# Altium PCB ESP32 S3 Mini-1.PcbDoc
Units mm, origin at the board's own origin, x right, y up, seen from the top; angles counter-clockwise.
Board outline 70 x 30 mm, 4 copper layers (Top Layer, PWR, GND, Bottom Layer), stack 1.564 mm thick; 61 components, 75 nets, 305 pads, 170 vias.
Unrouted connection lines stored in the file: 221.
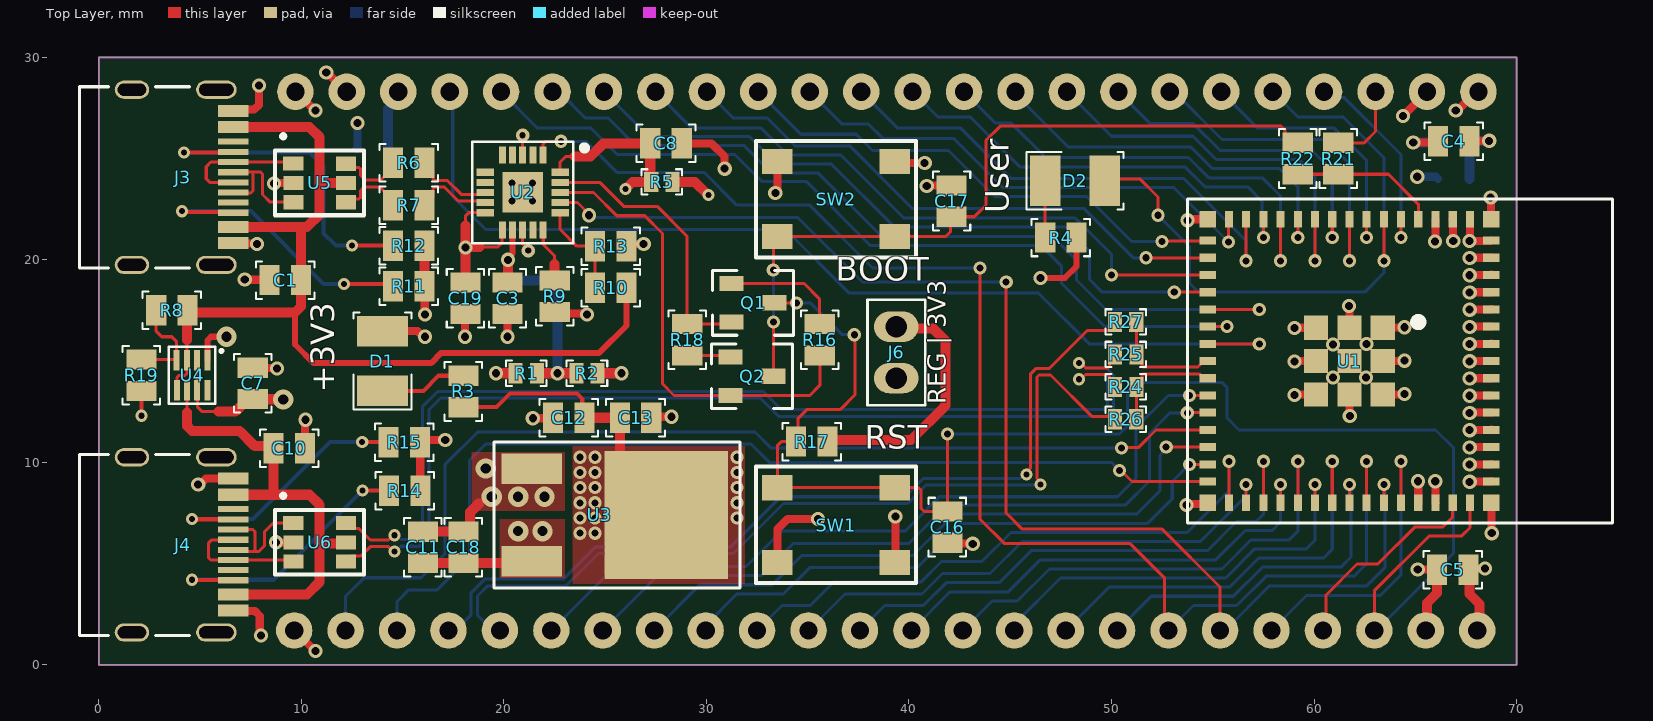
[diagram p0: Top Layer view]
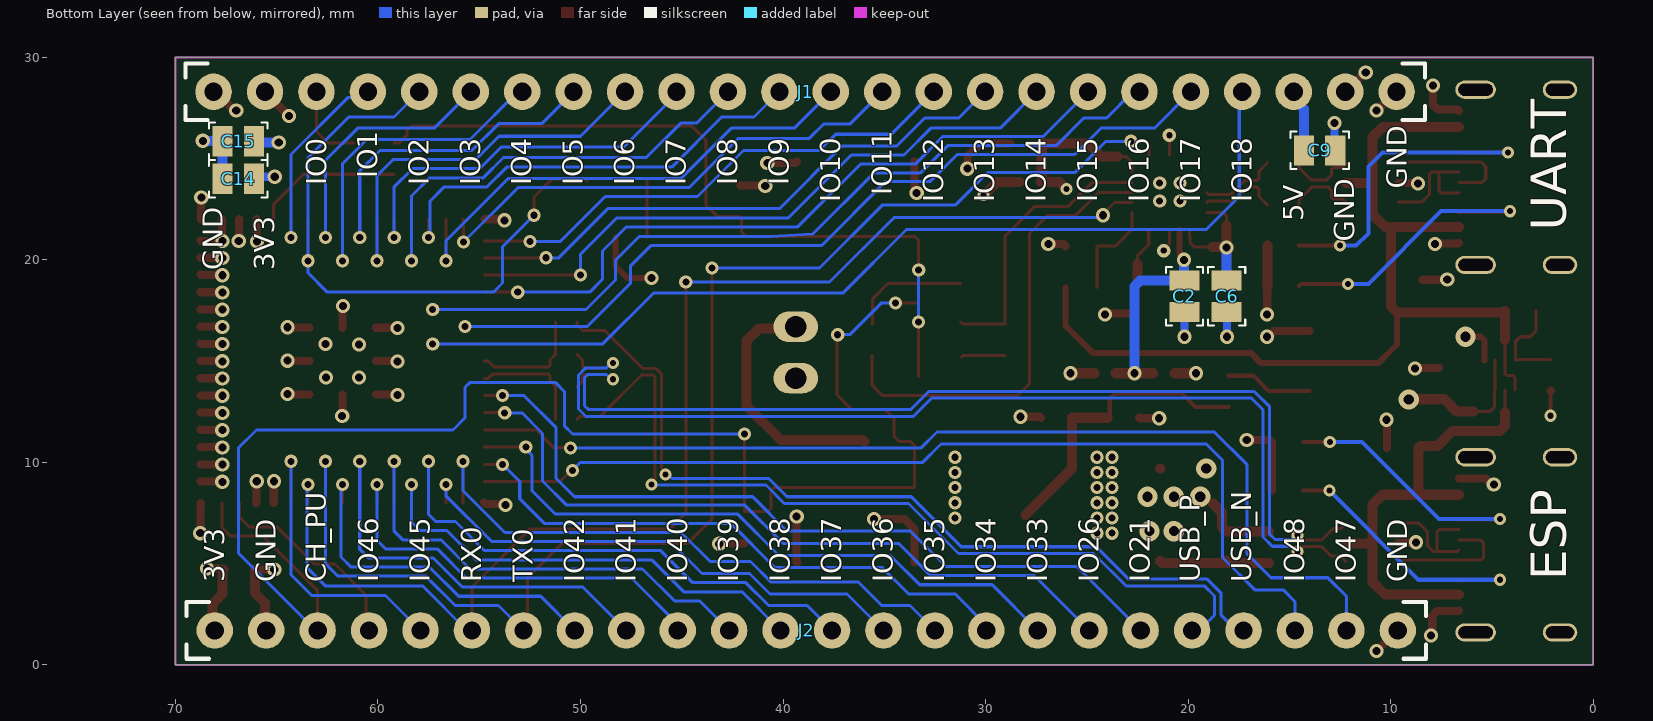
[diagram p1: Bottom Layer view, seen from below]
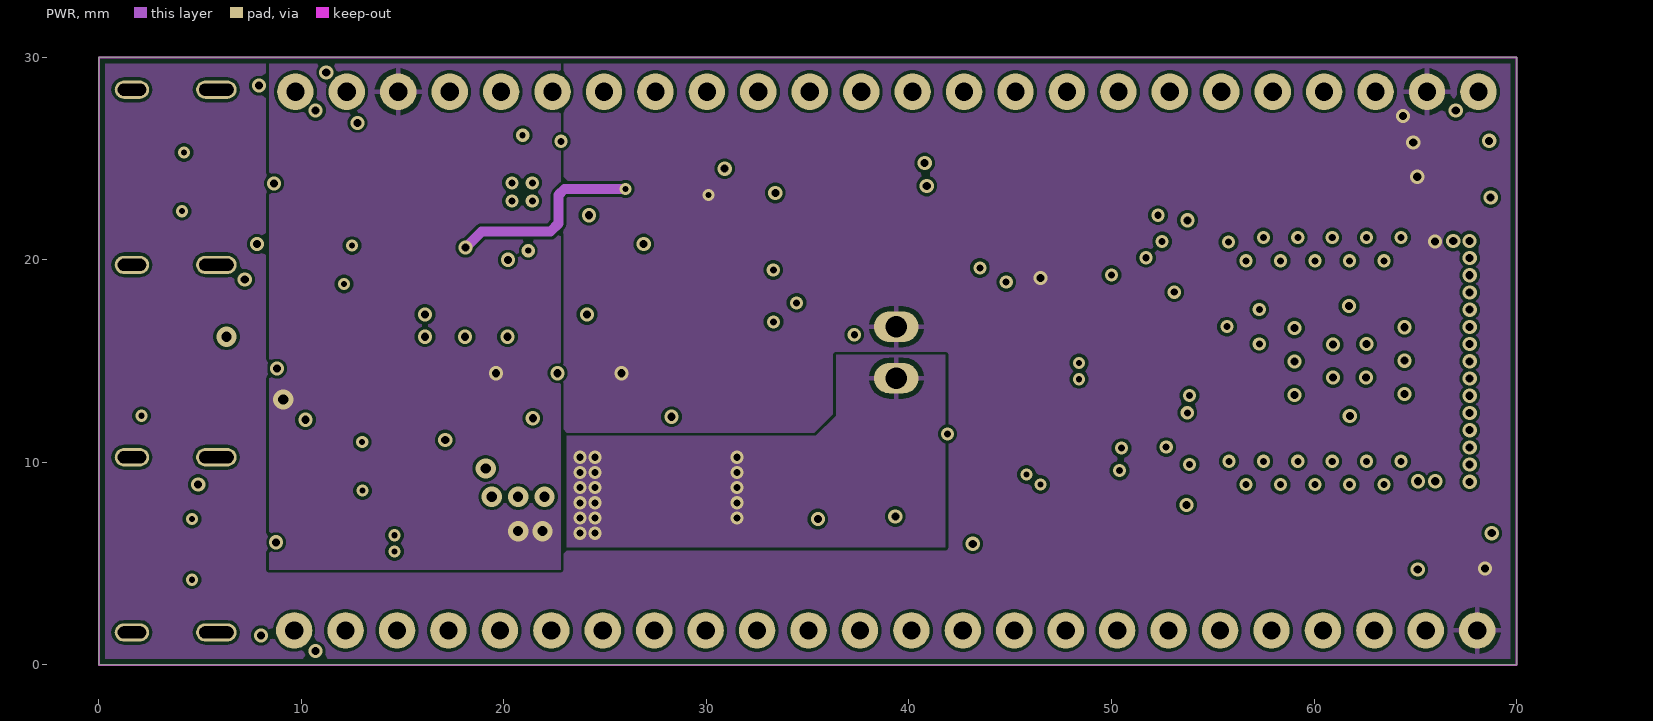
[diagram p2: PWR]
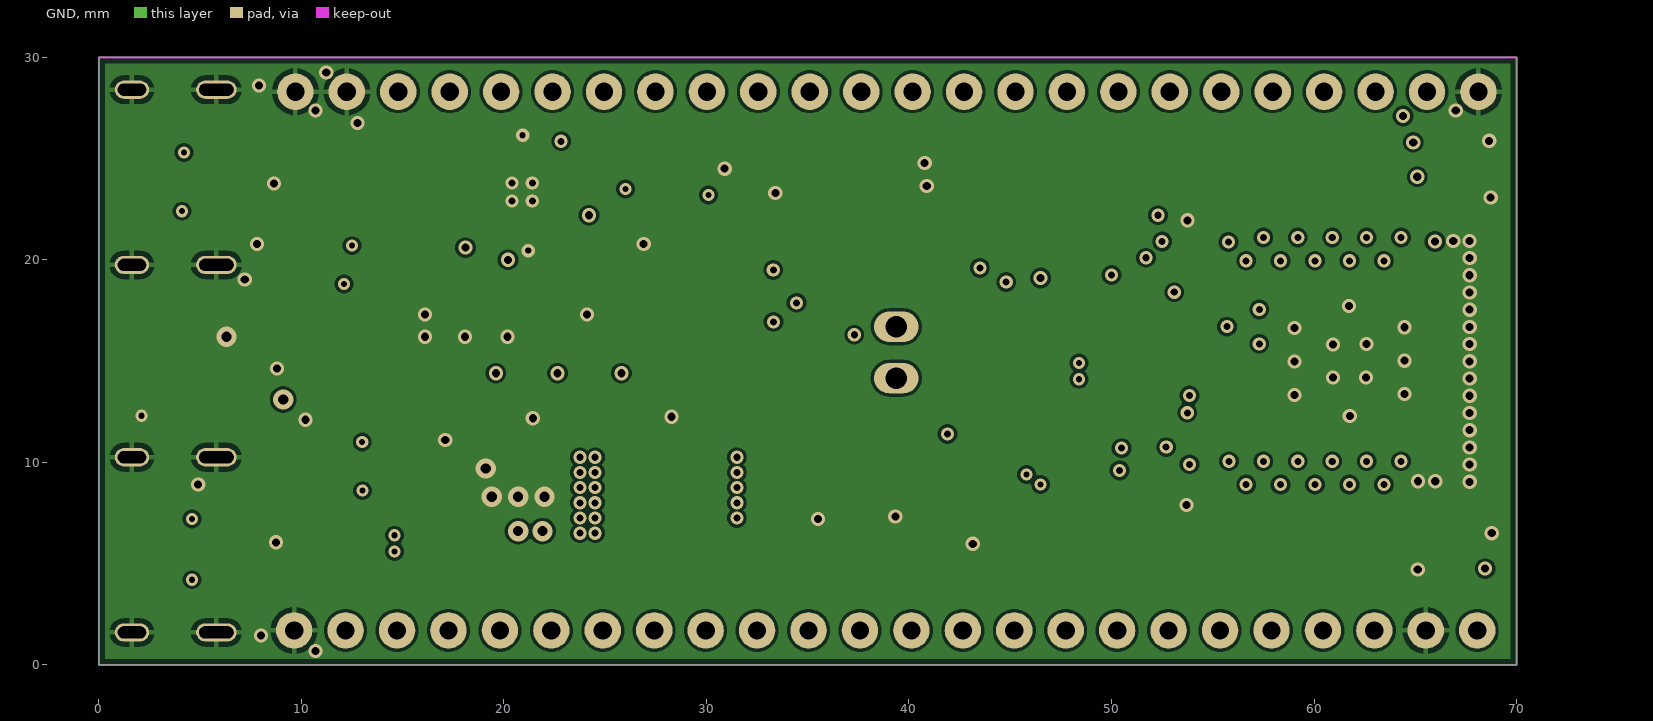
[diagram p3: GND]
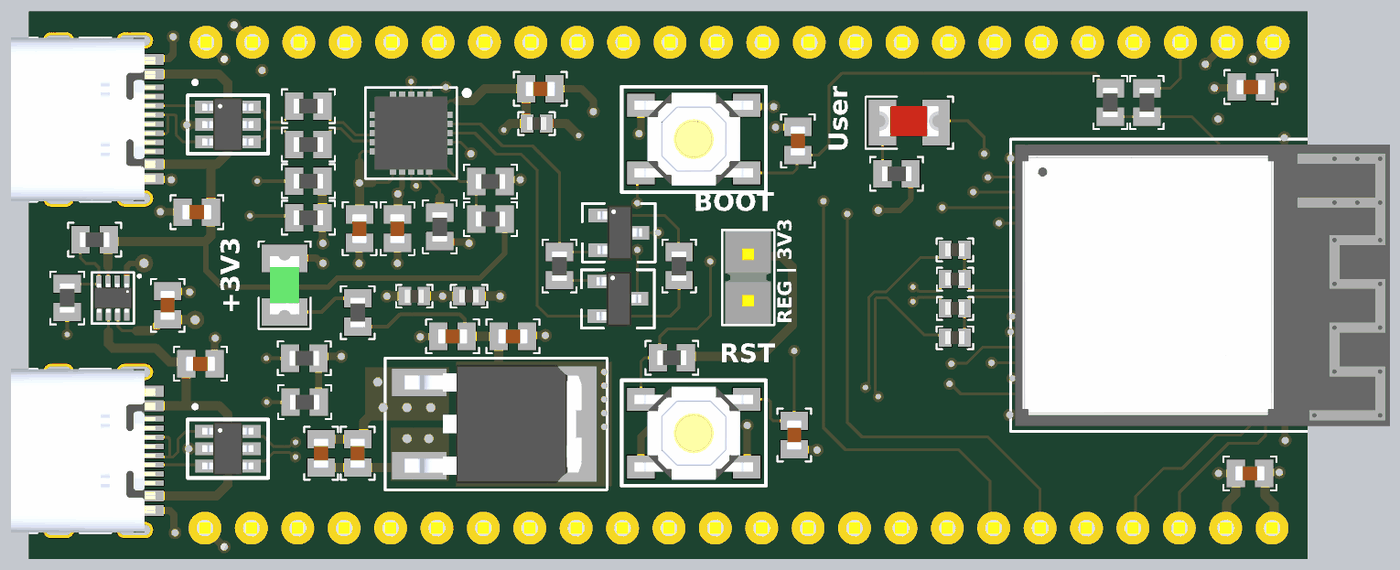
[diagram p4: 3D render of the assembled board from above, using the file's embedded part models]
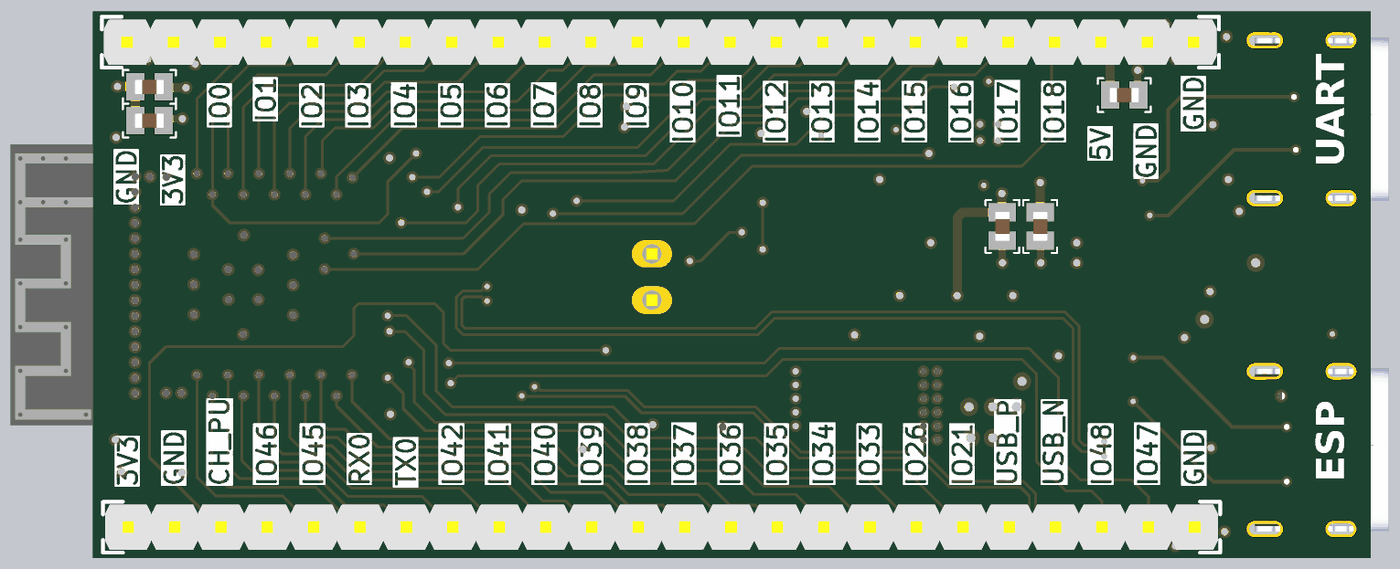
[diagram p5: 3D render of the assembled board from below, using the file's embedded part models]

## Layer stack, top to bottom
Top Solder: solder mask 0.0254, SM-001, Dk 4
Top Layer: signal copper 0.035
Dielectric 1: prepreg 0.0994, PP-017, Dk 4.1
PWR: signal copper 0.0152
Dielectric 2: core 1.265, Core-039, Dk 4.6
GND: signal copper 0.0152
Dielectric 3: prepreg 0.0994, PP-017, Dk 4.1
Bottom Layer: signal copper 0.035
Bottom Solder: solder mask 0.0254, SM-001, Dk 4

## Board outline
0,0 0,30 70,30 70,0

## Design rules (kind name [scope] priority, off if disabled: settings)
AssemblyTestPointUsage [All] p1: isadvanced=TRUE
AssemblyTestpoint [All] p1: isadvanced=TRUE testpointundercomponent=TRUE minsize=1.016 maxsize=2.54 preferedsize=1.524 minholesize=0 maxholesize=1.016 preferedholesize=0.813 testpointgrid=0.025 usegrid=TRUE gridtolerance=0 allowsidetop=TRUE allowsidebottom=TRUE
Clearance Clearance_1 [(ExistsOnLayer('PWR') Or ExistsOnLayer('GND')) vs (ExistsOnLayer('PWR') Or ExistsOnLayer('GND'))] p1: gap=0.15 ignorepadtopadclearanceinfootprint=FALSE sourcerule=46 cellrowname=All cellrowtype=0 cellcolname=All cellcoltype=0 innerlayers=TRUE
Clearance Clearance_2 [(ExistsOnLayer('Top Layer') Or ExistsOnLayer('Bottom Layer')) vs (ExistsOnLayer('Top Layer') Or ExistsOnLayer('Bottom Layer'))] p2: gap=0.15 ignorepadtopadclearanceinfootprint=FALSE sourcerule=46 cellrowname=All cellrowtype=0 cellcolname=All cellcoltype=0 outerlayers=TRUE
Clearance [All] p3: gap=0.254 ignorepadtopadclearanceinfootprint=FALSE ismatrix=TRUE
ComponentClearance [All] p1: isadvanced=TRUE gap=0.254 collisioncheckmode=3 verticalgap=0.254 showdistances=FALSE
DiffPairsRouting DifferentialPairsRouting_USB [All] p1: isadvanced=TRUE maxlimit=0.18 minlimit=0.11 mostfreqgap=0.18 toplayer_mingap=0.18 toplayer_minwidth=0.15 toplayer_maxwidth=0.15 toplayer_prefwidth=0.15 midlayer1_maxgap=0.11 midlayer1_prefgap=0.11 midlayer1_minwidth=0.1 midlayer1_maxwidth=0.1 midlayer1_prefwidth=0.1 midlayer2_maxgap=0.11 midlayer2_prefgap=0.11 midlayer2_minwidth=0.1 midlayer2_maxwidth=0.1 midlayer2_prefwidth=0.1 bottomlayer_mingap=0.18 bottomlayer_minwidth=0.15 bottomlayer_maxwidth=0.15 bottomlayer_prefwidth=0.15 impedanceprofiledriven=TRUE impedanceprofileid={276A7EB2-59E9-4EE5-BE72-D65A3F70A0E2} impedanceprofilevalue=90.000000 maxuncoupledlength=0.254
DiffPairsRouting DifferentialPairsRouting_1 [All] p2 off: maxlimit=0.254 minlimit=0.254 mostfreqgap=0.254 toplayer_minwidth=0.381 toplayer_maxwidth=0.381 toplayer_prefwidth=0.381 midlayer1_minwidth=0.381 midlayer1_maxwidth=0.381 midlayer1_prefwidth=0.381 midlayer2_minwidth=0.381 midlayer2_maxwidth=0.381 midlayer2_prefwidth=0.381 bottomlayer_minwidth=0.381 bottomlayer_maxwidth=0.381 bottomlayer_prefwidth=0.381 maxuncoupledlength=12.7
FabricationTestPointUsage [All] p1: isadvanced=TRUE valid=0 allowmultiple=FALSE
FabricationTestpoint [All] p1: isadvanced=TRUE side=3 testpointundercomponent=TRUE minsize=1.016 maxsize=2.54 preferedsize=1.524 minholesize=0 maxholesize=1.016 preferedholesize=0.813 testpointgrid=0.025 allowsidetop=TRUE allowsidebottom=TRUE usegrid=TRUE gridtolerance=0
FanoutControl Fanout_BGA [IsBGA] p1: isadvanced=TRUE bgadir=Out bgaviamode=Centered fanoutstyle=Auto fanoutdirection=Alternating viagrid=0.025 // Fanout_BGA (Default Rule)
FanoutControl Fanout_LCC [IsLCC] p2: isadvanced=TRUE bgadir=Out bgaviamode=Centered fanoutstyle=Auto fanoutdirection=Alternating viagrid=0.025 // Fanout_LCC (Default Rule)
FanoutControl Fanout_SOIC [IsSOIC] p3: isadvanced=TRUE bgadir=Out bgaviamode=Centered fanoutstyle=Auto fanoutdirection=Alternating viagrid=0.025 // Fanout_SOIC (Default Rule)
FanoutControl Fanout_Small [(CompPinCount < 5)] p4: isadvanced=TRUE bgadir=Out bgaviamode=Centered fanoutstyle=Auto fanoutdirection=OutThenIn viagrid=0.025 // Fanout_Small (Default Rule)
FanoutControl Fanout_Default [All] p5: isadvanced=TRUE bgadir=Out bgaviamode=Centered fanoutstyle=Auto fanoutdirection=Alternating viagrid=0.025 // Fanout_Default (Default Rule)
Height [All] p1: isadvanced=TRUE minheight=0 maxheight=25.4 prefheight=12.7
HoleSize [All] p1: isadvanced=TRUE absolutevalues=TRUE maxlimit=2.54 minlimit=0.025 maxpercent=80.000 minpercent=20.000
HoleToHoleClearance [All] p1: isadvanced=TRUE gap=0.254 allowstackedmicrovias=TRUE
LayerPairs [All] p1: isadvanced=TRUE enforce=TRUE
MatchedLengths MatchedLengths_1 [(InDifferentialPairClass('All Differential Pairs'))] p1: isadvanced=TRUE tolerance=25.4 checknetsindiffpair=TRUE checkdiffpairvsdiffpair=FALSE checkxsignals=FALSE checkothers=FALSE usedelayunits=TRUE delaytolerance=10.000000
MinimumSolderMaskSliver [All] p1: isadvanced=TRUE minsoldermaskwidth=0.1
NetAntennae [All] p1: isadvanced=TRUE netantennaetolerance=0
PasteMaskExpansion [All] p1: isadvanced=TRUE expansion=0
PlaneClearance [All] p1: isadvanced=TRUE clearance=0.508
PlaneConnect [All] p1: isadvanced=TRUE pad.planeconnectstyle=Relief pad.reliefexpansion=0.508 pad.reliefentries=4 pad.reliefconductorwidth=0.254 pad.reliefairgap=0.254 via.planeconnectstyle=Direct via.reliefexpansion=0.508 via.reliefentries=4 via.reliefconductorwidth=0.254 via.reliefairgap=0.254
PolygonConnect [All] p1: thpad.connectstyle=Relief thpad.reliefconductorwidth=0.25 thpad.reliefentries=4 thpad.polygonreliefangle="90 Angle" thpad.airgapwidth=0.25 smdpad.connectstyle=Direct smdpad.reliefconductorwidth=0.254 smdpad.reliefentries=4 smdpad.polygonreliefangle="90 Angle" smdpad.airgapwidth=0.254 via.connectstyle=Direct via.reliefconductorwidth=0.254 via.reliefentries=4 via.polygonreliefangle="90 Angle" via.airgapwidth=0.254
RoutingCorners [All] p1: isadvanced=TRUE cornerstyle=45-Degree minsetback=2.54 maxsetback=2.54
RoutingPriority [All] p1: isadvanced=TRUE routingpriority=0
RoutingVias RoutingViaStyle [All] p1: isadvanced=TRUE holewidth=0.3 width=0.7 viastyle="Through Hole" minholewidth=0.3 minwidth=0.6 maxholewidth=0.5 maxwidth=1
RoutingVias [All] p2: holewidth=0.711 width=1.27 viastyle="Through Hole" minholewidth=0.711 minwidth=1.27 maxholewidth=0.711 maxwidth=1.27
ShortCircuit [All] p1: isadvanced=TRUE allowed=FALSE
SilkToSilkClearance [All] p1: isadvanced=TRUE silktosilkclearance=0.15
SilkToSolderMaskClearance [IsText] p1: isadvanced=TRUE minsilkscreentomaskgap=0.1 clearancetoexposedcopper=TRUE
SolderMaskExpansion [All] p1: isadvanced=TRUE expansion=0 istentingtop=FALSE
SupplyNets "Schematic Supply Nets_5" [InNet('+5V')] p1: isadvanced=TRUE voltage=0.000
SupplyNets "Schematic Supply Nets_4" [InNet('VBUS_1')] p2: isadvanced=TRUE voltage=0.000
SupplyNets "Schematic Supply Nets_3" [InNet('VBUS_2')] p3: isadvanced=TRUE voltage=0.000
SupplyNets "Schematic Supply Nets_2" [InNet('GND')] p4: isadvanced=TRUE voltage=0.000
SupplyNets "Schematic Supply Nets_1" [InNet('3V3_REG')] p5: isadvanced=TRUE voltage=0.000
SupplyNets "Schematic Supply Nets" [InNet('+3V3')] p6: isadvanced=TRUE voltage=0.000
UnRoutedNet [All] p1: isadvanced=TRUE
UnpouredPolygon [All] p1: isadvanced=TRUE
Width MaxMinWidth_1 [All] p1: isadvanced=TRUE maxlimit=1 minlimit=0.1 preferedwidth=0.25 minimp=50.000000 maximp=50.000000 favimp=50.000000
Width [All] p2: maxlimit=0.254 minlimit=0.254 preferedwidth=0.254
3 further rules are at their usual default settings.

## Components (designator, comment, footprint, x,y, rotation, side; value= is the part's Value field where it differs from the comment)
C1 "0.1u" 0603-CAP 9.2,19 r180 top
C2 "4.7u" 0603-CAP 20.175,18.2 r270 bottom
C3 "0.1u" 0603-CAP 20.175,18.1 r270 top
C4 "0.1u" 0603-CAP 66.9,25.85 r0 top
C5 "0.1u" 0603-CAP 66.85,4.7 r180 top
C6 "0.1u" 0603-CAP 18.1,18.2 r270 bottom
C7 "1u" 0603-CAP 7.6,13.9 r90 top
C8 "0.1u" 0603-CAP 28,25.75 r0 top
C9 "0.1u" 0603-CAP 13.5,25.4 r180 bottom
C10 "0.1u" 0603-CAP 9.4,10.7 r0 top
C11 "0.1u" 0603-CAP 16,5.8 r90 top
C12 "0.1u" 0603-CAP 23.2,12.2 r180 top
C13 "10u" 0603-CAP 26.5,12.2 r0 top
C14 "10u" 0603-CAP 66.9,24 r0 bottom
C15 "0.1u" 0603-CAP 66.9,25.85 r0 bottom
C16 "1u" 0603-CAP 41.9,6.8 r270 top
C17 "1u" 0603-CAP 42.1,22.9 r90 top
C18 "10u" 0603-CAP 18,5.8 r90 top
C19 "0.1u" 0603-CAP 18.1,18.1 r270 top
D1 "GREEN" "1206-LED GREEN" 14,15 r90 top
D2 "RED" "1206-LED RED" 48.2,23.9 r0 top
J1 "1x24P male Pinheaders" "1X24P MALE PINHEADER" 38.91,28.3 r90 bottom locked
J2 "1x24P male Pinheaders" "1X24P MALE PINHEADER" 38.85,1.7 r90 bottom
J3 "USB Type C connector" USB-C 1.63,24.075 r270 top locked
J4 "USB Type C connector" USB-C 1.63,5.925 r270 top
J6 "1x2P male Pinheaders" "1X2P MALE PINHEADER" 39.375,15.425 r0 top
Q1 "BJT Transistor" SOT-23 32.35,17.875 r0 top
Q2 "BJT Transistor" SOT-23 32.3,14.25 r0 top
R1 "0R" 0402-RES 21.1,14.4 r0 top
R2 "0R" 0402-RES 24.1,14.4 r180 top
R3 "1K" 0603-RES 18,13.5 r90 top
R4 "1K" 0603-RES 47.5,21.1 r180 top
R5 "0R" 0402-RES 27.794,23.846 r180 top
R6 "27R" 0603-RES 15.3,24.8 r180 top
R7 "27R" 0603-RES 15.3,22.7 r180 top
R8 "10K" 0603-RES 3.6,17.5 r180 top
R9 "10K" 0603-RES 22.5,18.2 r270 top
R10 "4.7K" 0603-RES 25.275,18.625 r180 top
R11 "5.1K" 0603-RES 15.3,18.7 r0 top
R12 "5.1K" 0603-RES 15.3,20.7 r0 top
R13 "10K" 0603-RES 25.275,20.675 r0 top
R14 "5.1K" 0603-RES 15.1,8.6 r0 top
R15 "5.1K" 0603-RES 15.08,11 r0 top
R16 "10K" 0603-RES 35.6,16.05 r270 top
R17 "10K" 0603-RES 35.2,11.025 r180 top
R18 "10K" 0603-RES 29.05,16.05 r90 top
R19 "10K" 0603-RES 2.1,14.3 r270 top
R21 "27R" 0603-RES 61.2,25 r90 top
R22 "27R" 0603-RES 59.2,25 r90 top
R24 "0R" 0402-RES 50.702,13.725 r180 top
R25 "0R" 0402-RES 50.702,15.329 r180 top
R26 "0R" 0402-RES 50.7,12.121 r180 top
R27 "0R" 0402-RES 50.699,16.933 r180 top
SW1 "Tactile Switch" "TACTILE SWITCH" 36.4,6.9 r180 top
SW2 "Tactile Switch" "TACTILE SWITCH" 36.4,23 r0 top
U1 "ESP32-S3-MINI-1-N8" ESP32-S3-MINI-1-N8 61.75,15 r270 top
U2 "FTDI USB to UART" QFN-20-EP(4x4) 20.925,23.325 r270 top
U3 "3V3 LDO" TO-252-2(DPAK) 24.7,7.4 r270 top
U4 "Power Switchover" SOT-583 4.6,14.3 r270 top
U5 "3 Channels ESD Protection" SOT-23-6 10.9,23.8 r0 top
U6 "3 Channels ESD Protection" SOT-23-6 10.9,6.05 r0 top

## Footprints (in the part's own frame and the unit in brackets; to place one, negate y for a bottom-side part, rotate by r counter-clockwise, add the part's x,y. Pads: shape width x height; smd on the part's side, far side on the other; paste and mask are expansions set on the pad)
"1X2P MALE PINHEADER" [mm]
  oval 2.2x1.5 hole 1.05: 1(0,1.27) 2(0,-1.27)
  silkscreen extent -1.43,-2.6 1.43,2.6, body extent -1.24,-2.54 1.24,2.54, height 8.38
"1X24P MALE PINHEADER" [mm]
  round 1.8 hole 0.9: 1(0,29.21) 2(0,26.67) 3(0,24.13) 4(0,21.59) 5(0,19.05) 6(0,16.51) 7(0,13.97) 8(0,11.43) 9(0,8.89) 10(0,6.35) 11(0,3.81) 12(0,1.27) 13(0,-1.27) 14(0,-3.81) 15(0,-6.35) 16(0,-8.89) 17(0,-11.43) 18(0,-13.97) 19(0,-16.51) 20(0,-19.05) 21(0,-21.59) 22(0,-24.13) 23(0,-26.67) 24(0,-29.21)
  silkscreen extent -1.4,-30.6 1.4,30.6, body extent -1.24,-30.48 1.24,30.48, height 7.62
0402-RES [mm]
  rect 0.7x1 smd mask+0.04: 1(0.525,0) 2(-0.525,0)
  silkscreen extent -1,-0.63 1,0.63, body extent -0.53,-0.36 0.53,0.35, height 0.51
0603-CAP [mm]
  rect 1x1.5 smd mask+0.04: 1(0.775,0) 2(-0.775,0)
  silkscreen extent -1.45,-0.93 1.45,0.92, body extent -0.8,-0.4 0.8,0.4, height 0.94
0603-RES [mm]
  rect 1x1.5 smd mask+0.04: 1(0.775,0) 2(-0.775,0)
  silkscreen extent -1.45,-0.92 1.45,0.92, body extent -0.8,-0.4 0.8,0.4, height 0.45
"1206-LED GREEN" [mm]
  rect 1.5x2.5 smd mask+0.04: 1(-1.475,0) 2(1.475,0)
  silkscreen extent -2.4,-1.43 2.4,1.43, body extent -1.6,-0.8 1.6,0.8, height 1.1
"1206-LED RED" [mm]
  rect 1.5x2.5 smd mask+0.04: 1(-1.475,0) 2(1.475,0)
  silkscreen extent -2.4,-1.43 2.4,1.43, body extent -1.66,-0.74 1.61,0.91, height 0.9
ESP32-S3-MINI-1-N8 [mm]
  rect 0.8x0.4 smd: 1(-7,5.1) 1(-7,5.95) 1(7,4.25) 1(7,3.4) 3(-7,4.25) 4(-7,3.4) 5(-7,2.55) 6(-7,1.7) 7(-7,0.85) 8(-7,0) 9(-7,-0.85) 10(-7,-1.7) 11(-7,-2.55) 12(-7,-3.4) 13(-7,-4.25) 14(-7,-5.1) 15(-7,-5.95) 31(7,-5.95) 32(7,-5.1) 33(7,-4.25) 34(7,-3.4) 35(7,-2.55) 36(7,-1.7) 37(7,-0.85) 38(7,0) 39(7,0.85) 40(7,1.7) 41(7,2.55) 44(7,5.1) 45(7,5.95)
  rect 0.8x0.8 smd: 1(-7,7) 1(-7,-7) 1(7,7) 1(7,-7)
  rect 0.4x0.8 smd: 1(-5.95,7) 1(-5.1,7) 1(-4.25,7) 1(-3.4,7) 1(-2.55,7) 1(-1.7,7) 1(-0.85,7) 1(0,7) 1(0.85,7) 1(1.7,7) 1(2.55,7) 1(3.4,7) 1(4.25,7) 1(5.1,7) 1(5.95,7) 16(-5.95,-7) 17(-5.1,-7) 18(-4.25,-7) 19(-3.4,-7) 20(-2.55,-7) 21(-1.7,-7) 22(-0.85,-7) 23(0,-7) 24(0.85,-7) 25(1.7,-7) 26(2.55,-7) 27(3.4,-7) 28(4.25,-7) 29(5.1,-7) 30(5.95,-7)
  rect 1.2x1.2 smd: 1(-1.65,1.65) 1(-1.65,0) 1(-1.65,-1.65) 1(0,1.65) 1(0,0) 1(0,-1.65) 1(1.65,1.65) 1(1.65,0) 1(1.65,-1.65)
  silkscreen extent -8,-8 8,13, body extent -7.7,-7.75 7.7,12.75, height 2.4
QFN-20-EP(4x4) [mm]
  rect 0.85x0.35 smd: 1(-1.85,1) 2(-1.85,0.5) 3(-1.85,0) 3(1.85,0) 4(-1.85,-0.5) 5(-1.85,-1) 11(1.85,-1) 12(1.85,-0.5) 14(1.85,0.5) 15(1.85,1)
  rect 2x2 smd: 3(0,0)
  rect 0.35x0.85 smd: 6(-1,-1.85) 7(-0.5,-1.85) 8(0,-1.85) 9(0.5,-1.85) 10(1,-1.85) 16(1,1.85) 17(0.5,1.85) 18(0,1.85) 19(-0.5,1.85) 20(-1,1.85)
  silkscreen extent -2.5,-2.5 2.5,3.15, body extent -2,-2 2,2, height 0.75
SOT-23 [mm]
  rect 1.2x0.75 smd: 1(-1.11,0.95) 2(-1.11,-0.95) 3(1.01,0)
  silkscreen extent -2.05,-1.6 1.94,1.6, body extent -1.21,-1.5 1.21,1.5, height 1.12
SOT-23-6 [mm]
  rect 1x0.7 smd: 1(-1.299,0.954) 2(-1.291,-0.004) 3(-1.291,-0.954) 4(1.299,0.946) 5(1.299,-0.004) 6(1.299,-0.954)
  silkscreen extent -2.2,-1.6 2.2,2.4, body extent -1.4,-1.45 1.4,1.45, height 1.45
SOT-583 [mm]
  rect 1x0.3 smd mask+0.04: 1(-0.74,0.76) 2(-0.74,0.24) 2(0.74,0.25) 3(-0.74,-0.26) 4(-0.74,-0.76) 5(0.74,-0.75) 6(0.74,-0.25) 8(0.74,0.76)
  silkscreen extent -1.4,-1.15 1.4,1.49, body extent -0.8,-1.05 0.8,1.05, height 0.6
"TACTILE SWITCH" [mm]
  rect 1.5x1.25 smd mask+0.07: 1(-2.9,1.85) 1(2.9,1.85) 2(-2.9,-1.85) 2(2.9,-1.85)
  silkscreen extent -3.95,-2.9 3.95,2.87, body extent -3.25,-2.55 3.25,2.55, height 1.55
TO-252-2(DPAK) [mm]
  rect 1.5x3 smd: 1(-2.286,-3.325) 2(2.286,-3.325)
  rect 6.3x6.1 smd: 3(0,3.325)
  silkscreen extent -3.6,-5.2 3.6,6.95, body extent -3.25,-4.16 3.25,5.56, height 2.4
USB-C [mm]
  rect 0.6x1.5 smd mask+0.05: A1/B12(-3.275,5) A4/B9(-2.475,5) B1/A12(3.25,5) B4/A9(2.45,5)
  rect 0.3x1.5 smd mask+0.05: A5(-1.25,5) A6(-0.25,5) A7(0.25,5) A8(1.25,5) B5(1.75,5) B6(0.75,5) B7(-0.75,5) B8(-1.763,5)
  oval 0.9x2 hole 0.6 slot 1.7 at 90 deg mask+0.04: SH(-4.325,4.17) SH(4.325,4.17)
  oval 0.9x1.7 hole 0.6 slot 1.4 at 90 deg mask+0.04: SH(-4.325,0) SH(4.325,0)
  silkscreen extent -4.47,-2.6 4.47,2.85, body extent -4.47,-2.6 4.47,5.31, height 3.31
